# Altium PCB UmTRXv2.PcbDoc (part 20 of 25)
Units mm, origin at the board's own origin, x right, y up, seen from the top; angles counter-clockwise.
Board outline 159.5 x 99.5 mm, 6 copper layers (Top Layer, GND, MidLayer1, Mid-Layer 2, InternalPlane2, Bottom Layer), stack 1.526 mm thick; 708 components, 578 nets, 2802 pads, 1408 vias.
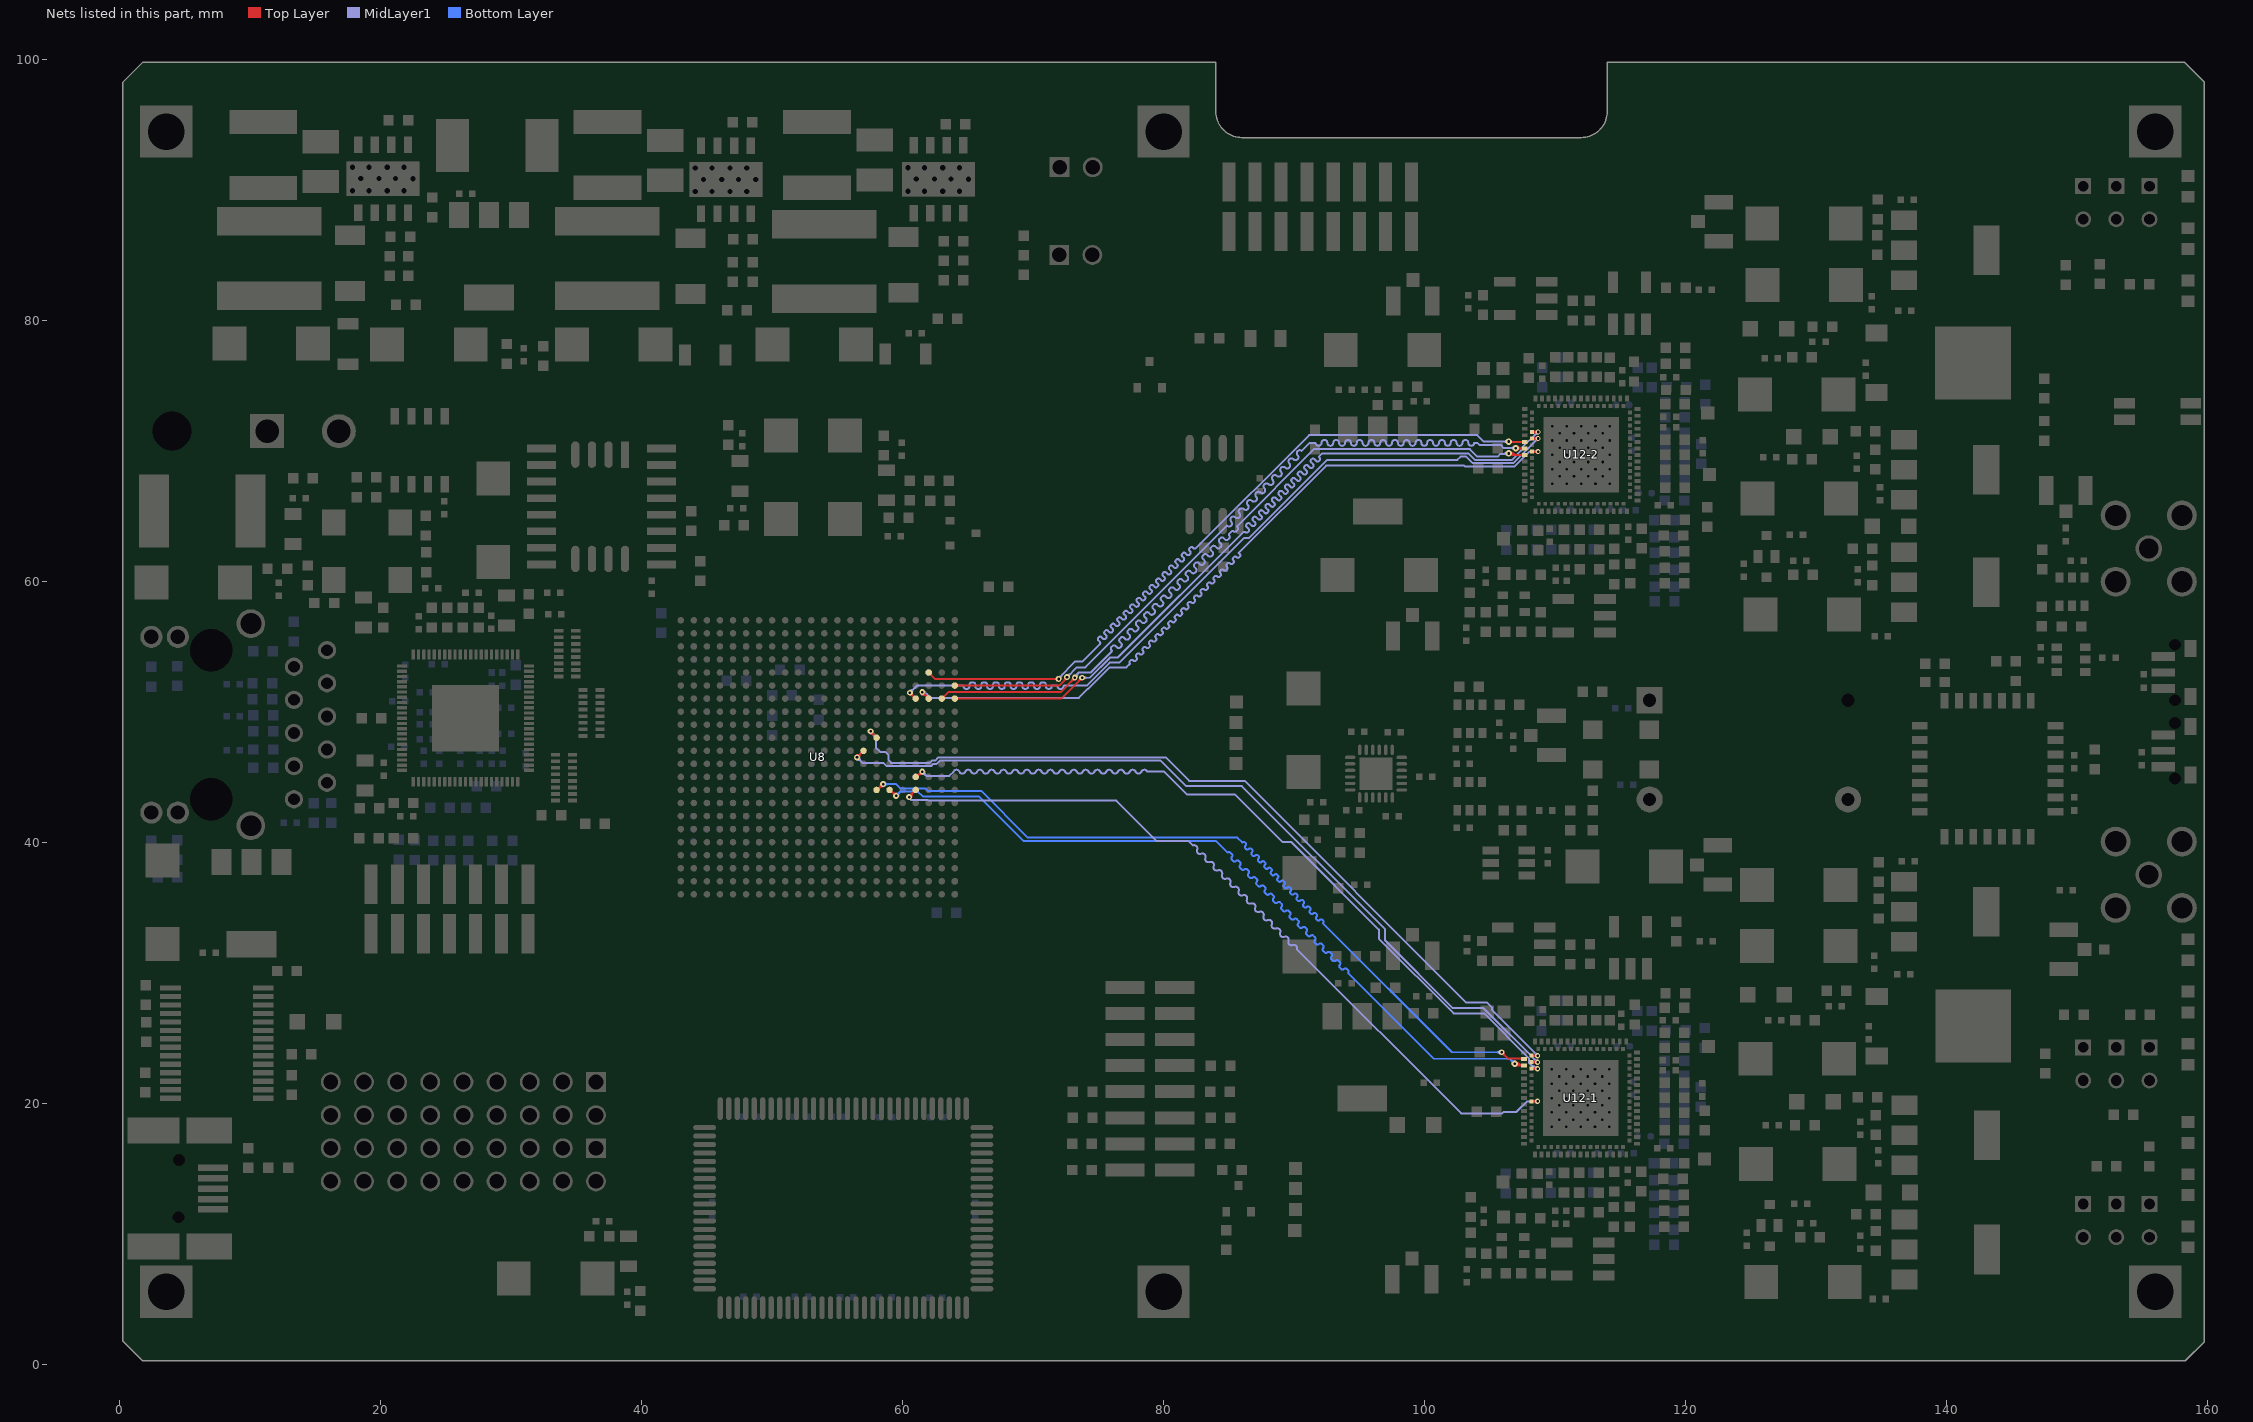
[diagram p24: the nets of this part, all layers, seen from the top]

## Via types
v1: diameter 0.5, hole 0.2, Top Layer to Bottom Layer, tented both sides, 441 vias
v2: diameter 0.45, hole 0.2, Top Layer to Bottom Layer, tented both sides, 429 vias
v3: diameter 0.7, hole 0.3, Top Layer to Bottom Layer, tented both sides, 258 vias
v4: diameter 0.4, hole 0.2, Top Layer to Bottom Layer, tented both sides, 197 vias
v5: diameter 0.8, hole 0.3, Top Layer to Bottom Layer, tented both sides, 61 vias
v6: diameter 0.6, hole 0.25, Top Layer to Bottom Layer, tented both sides, 16 vias
v7: diameter 0.6, hole 0.3, Top Layer to Bottom Layer, tented both sides, 4 vias
v8: diameter 1, hole 0.5, Top Layer to Bottom Layer, tented both sides, 2 vias

## Nets (pads, with @x,y where several pads share a name; then routed paths per layer and width w, separated by ;. In a path a pad name is that pad's centre, name@x,y a point inside that pad or via, vN(x,y) a via of type N, cw(c..) or ccw(c..) an arc to the next point about the centre after c; other vN are vias at no path point) (continued)
RX1D7: U8.K4 U12-1.6 | length 73.3
  Top Layer w0.15: U8.K4@61,45 61.05,45 61.45,45.4 v2(61.5,45.4) ; U8.K4@61.116,45.066 cw(c61.5,44.682) v2@61.5,45.225 ; 61.237,45.187 ccw(c61.023,45.4) v2@61.325,45.4 ; 61.281,45.191 ccw(c61.2,45.496) v2(61.5,45.4) ; v2(61.5,45.4) ccw(c61.546,45.116) 61.269,45.191 cw(c61.546,45.116) v2(61.5,45.4) ; v2(61.5,45.4) cw(c61.123,45.541) 61.227,45.152 ccw(c61.123,45.541) v2(61.5,45.4) ; U8.K4@61.159,45.109 cw(c61.5,44.767) 61.5,45.25 ccw(c61.5,44.767) U8.K4@61.159,45.109 ; 61.279,45.229 ccw(c61.109,45.4) 61.35,45.4 cw(c61.109,45.4) 61.279,45.229
  Top Layer w0.2: U12-1.6@108.207,22.638 v4@108.632,22.638 ; 108.416,22.638 cw(c108.416,22.397) v4@108.586,22.567 ; 108.416,22.638 ccw(c108.416,22.879) v4@108.586,22.709 ; 108.416,22.638 ccw(c108.416,22.879) v4@108.586,22.709 ; 108.416,22.638 cw(c108.416,22.397) v4@108.586,22.567 ; 108.416,22.638 ccw(c108.416,22.879) v4@108.586,22.709 ; 108.416,22.638 cw(c108.416,22.397) v4@108.586,22.567
  MidLayer1 w0.15: v2@61.5,45.225 cw(c61.5,44.802) 61.799,45.101 cw(c62.097,45.4) v2@61.675,45.4 ; v4(108.657,22.638) 108.462,22.638 108,23.1 108,23.435 104.56,26.875 102.221,26.875 96.5,32.596 96.5,33.3 89.8,40 89.134,40 85.484,43.65 81.8,43.65 80.05,45.4 78.75,45.4 ccw(c78.525,45.306) 78.3,45.4 cw(c78.075,45.494) 77.85,45.4 ccw(c77.625,45.306) 77.4,45.4 cw(c77.175,45.494) 76.95,45.4 ccw(c76.725,45.306) 76.5,45.4 cw(c76.275,45.494) 76.05,45.4 ccw(c75.825,45.306) 75.6,45.4 cw(c75.375,45.494) 75.15,45.4 ccw(c74.925,45.306) 74.7,45.4 cw(c74.475,45.494) 74.25,45.4 ccw(c74.025,45.306) 73.8,45.4 cw(c73.575,45.494) 73.35,45.4 ccw(c73.125,45.306) 72.9,45.4 cw(c72.675,45.494) 72.45,45.4 ccw(c72.225,45.306) 72,45.4 cw(c71.775,45.494) 71.55,45.4 ccw(c71.325,45.306) 71.1,45.4 cw(c70.875,45.494) 70.65,45.4 ccw(c70.425,45.306) 70.2,45.4 cw(c69.975,45.494) 69.75,45.4 ccw(c69.525,45.306) 69.3,45.4 cw(c69.075,45.494) 68.85,45.4 ccw(c68.625,45.306) 68.4,45.4 cw(c68.175,45.494) 67.95,45.4 ccw(c67.725,45.306) 67.5,45.4 cw(c67.275,45.494) 67.05,45.4 ccw(c66.825,45.306) 66.6,45.4 cw(c66.375,45.494) 66.15,45.4 ccw(c65.925,45.306) 65.7,45.4 cw(c65.475,45.494) 65.25,45.4 ccw(c65.025,45.306) 64.8,45.4 cw(c64.575,45.494) 64.35,45.4 ccw(c64.125,45.306) 63.9,45.4 63.575,45.075 61.825,45.075 v2(61.5,45.4) ; v2(61.5,45.4) cw(c61.409,45.07) 61.74,45.159 ccw(c61.409,45.07) v2(61.5,45.4) ; v2(61.5,45.4) ccw(c61.83,45.491) 61.741,45.16 cw(c61.83,45.491) v2(61.5,45.4) ; 61.756,45.144 cw(c62.012,45.4) 61.65,45.4 ccw(c62.012,45.4) 61.756,45.144 ; 61.756,45.144 ccw(c61.5,44.888) 61.5,45.25 cw(c61.5,44.888) 61.756,45.144 ; 108.111,22.989 ccw(c108.657,23.536) v4@108.657,22.763 ; 108.111,22.989 ccw(c108.657,23.536) v4@108.657,22.763 ; 108.111,22.989 ccw(c108.657,23.536) v4@108.657,22.763 ; 108.367,22.733 ccw(c108.657,23.024) v4@108.657,22.613 ; 108.367,22.733 ccw(c108.657,23.024) v4@108.657,22.613 ; 108.367,22.733 ccw(c108.657,23.024) v4@108.657,22.613
RX1D8: U8.J6 U12-1.5 | length 76.5
  Top Layer w0.15: U8.J6@59,44 59.05,44 v2(59.5,43.55) ; 59.299,43.739 ccw(c59.553,43.807) v2(59.5,43.55) ; 59.311,43.751 cw(c59.243,43.497) v2(59.5,43.55) ; v2@59.325,43.55 ccw(c58.903,43.55) 59.201,43.849 ccw(c59.5,44.147) v2@59.5,43.725 ; v1(106.911,23.008) 106.911,22.958 106.981,22.888 U12-1.5@107.632,22.888 ; 59.244,43.806 cw(c58.988,43.55) 59.35,43.55 ccw(c58.988,43.55) 59.244,43.806 ; 59.244,43.806 ccw(c59.5,44.062) 59.5,43.7 cw(c59.5,44.062) 59.244,43.806 ; v2(59.5,43.55) ccw(c59.17,43.459) 59.259,43.79 cw(c59.17,43.459) v2(59.5,43.55) ; v2(59.5,43.55) cw(c59.591,43.88) 59.26,43.791 ccw(c59.591,43.88) v2(59.5,43.55) ; v1@106.929,23.026 ccw(c107.261,23.358) 107.261,22.888 ; v1@106.929,23.026 ccw(c107.261,23.358) 107.261,22.888 ; v1@106.929,23.026 ccw(c107.261,23.358) 107.261,22.888 ; v1@106.931,22.994 cw(c107.086,22.884) 107.18,23.048 ; v1@106.931,22.994 cw(c107.086,22.884) 107.18,23.048 ; v1@106.931,22.994 cw(c107.086,22.884) 107.18,23.048 ; v1@107.035,23.132 ccw(c107.623,23.721) U12-1.5@107.623,22.888 ; v1@107.035,23.132 ccw(c107.623,23.721) U12-1.5@107.623,22.888 ; v1@107.035,23.132 ccw(c107.623,23.721) U12-1.5@107.623,22.888 ; v1@107.054,22.907 cw(c107.221,22.787) 107.323,22.965 ; v1@107.054,22.907 cw(c107.221,22.787) 107.323,22.965 ; v1@107.054,22.907 cw(c107.221,22.787) 107.323,22.965
  MidLayer1 w0.15: v1@106.886,22.983 v1(106.911,23.008)
  Bottom Layer w0.15: v2@59.5,43.725 ccw(c59.5,44.147) 59.799,43.849 ccw(c60.097,43.55) v2@59.675,43.55 ; v1(106.911,23.008) 106.519,23.4 100.7,23.4 94.137,29.963 ccw(c94.031,30.069) 94.137,30.175 94.031,30.281 ccw(c93.925,30.175) 93.819,30.281 cw(c93.713,30.387) 93.606,30.281 93.5,30.387 cw(c93.606,30.494) 93.5,30.6 ccw(c93.394,30.706) 93.5,30.812 93.394,30.918 ccw(c93.288,30.812) 93.182,30.918 cw(c93.076,31.024) 92.97,30.918 92.864,31.024 cw(c92.97,31.13) 92.864,31.236 ccw(c92.758,31.342) 92.864,31.448 92.758,31.554 ccw(c92.652,31.448) 92.546,31.554 cw(c92.44,31.66) 92.334,31.554 92.228,31.66 cw(c92.334,31.766) 92.228,31.872 ccw(c92.122,31.978) 92.228,32.084 92.122,32.191 ccw(c92.016,32.084) 91.909,32.191 cw(c91.803,32.297) 91.697,32.191 91.591,32.297 cw(c91.697,32.403) 91.591,32.509 ccw(c91.485,32.615) 91.591,32.721 91.485,32.827 ccw(c91.379,32.721) 91.273,32.827 cw(c91.167,32.933) 91.061,32.827 90.955,32.933 cw(c91.061,33.039) 90.955,33.145 ccw(c90.849,33.251) 90.955,33.357 90.849,33.463 ccw(c90.743,33.357) 90.637,33.463 cw(c90.531,33.569) 90.425,33.463 90.318,33.569 cw(c90.425,33.675) 90.318,33.782 ccw(c90.212,33.888) 90.318,33.994 90.212,34.1 ccw(c90.106,33.994) 90,34.1 cw(c89.894,34.206) 89.788,34.1 89.682,34.206 cw(c89.788,34.312) 89.682,34.418 ccw(c89.576,34.524) 89.682,34.63 89.576,34.736 ccw(c89.47,34.63) 89.364,34.736 cw(c89.258,34.842) 89.152,34.736 89.046,34.842 cw(c89.152,34.948) 89.046,35.054 ccw(c88.94,35.16) 89.046,35.266 88.94,35.373 ccw(c88.834,35.266) 88.727,35.373 cw(c88.621,35.479) 88.515,35.373 88.409,35.479 cw(c88.515,35.585) 88.409,35.691 ccw(c88.303,35.797) 88.409,35.903 88.303,36.009 ccw(c88.197,35.903) 88.091,36.009 cw(c87.985,36.115) 87.879,36.009 87.773,36.115 cw(c87.879,36.221) 87.773,36.327 ccw(c87.667,36.433) 87.773,36.539 87.667,36.645 ccw(c87.561,36.539) 87.455,36.645 cw(c87.349,36.751) 87.243,36.645 87.136,36.751 cw(c87.243,36.857) 87.136,36.964 ccw(c87.03,37.07) 87.136,37.176 87.03,37.282 ccw(c86.924,37.176) 86.818,37.282 cw(c86.712,37.388) 86.606,37.282 86.5,37.388 cw(c86.606,37.494) 86.5,37.6 ccw(c86.394,37.706) 86.5,37.812 86.394,37.918 ccw(c86.288,37.812) 86.182,37.918 cw(c86.076,38.024) 85.97,37.918 85.864,38.024 cw(c85.97,38.13) 85.864,38.236 ccw(c85.758,38.342) 85.864,38.448 85.758,38.555 ccw(c85.652,38.448) 85.545,38.555 cw(c85.439,38.661) 85.333,38.555 85.227,38.661 cw(c85.333,38.767) 85.227,38.873 ccw(c85.121,38.979) 85.227,39.085 85.121,39.191 ccw(c85.015,39.085) 84.909,39.191 84,40.1 69.25,40.1 65.85,43.5 61.545,43.5 61.17,43.875 59.825,43.875 v2(59.5,43.55) ; v2(59.5,43.55) ccw(c59.409,43.88) 59.74,43.791 cw(c59.409,43.88) v2(59.5,43.55) ; v2(59.5,43.55) cw(c59.83,43.459) 59.741,43.79 ccw(c59.83,43.459) v2(59.5,43.55) ; 59.756,43.806 cw(c59.5,44.062) 59.5,43.7 ccw(c59.5,44.062) 59.756,43.806 ; 59.756,43.806 ccw(c60.012,43.55) 59.65,43.55 cw(c60.012,43.55) 59.756,43.806 ; 106.612,23.307 cw(c106.314,23.008) v1@106.736,23.008 ; 106.612,23.307 ccw(c106.911,23.606) v1@106.911,23.183 ; 106.612,23.307 ccw(c106.911,23.606) v1@106.911,23.183 ; 106.612,23.307 cw(c106.314,23.008) v1@106.736,23.008 ; 106.612,23.307 ccw(c106.911,23.606) v1@106.911,23.183 ; 106.612,23.307 cw(c106.314,23.008) v1@106.736,23.008
RX1D9: U8.M8 U12-1.4 | length 73.4
  Top Layer w0.15: v2@56.5,46.675 ccw(c56.5,47.097) 56.799,46.799 ccw(c57.097,46.5) v2@56.675,46.5 ; 56.689,46.701 ccw(c56.757,46.447) v2(56.5,46.5) ; 56.701,46.689 cw(c56.447,46.757) v2(56.5,46.5) ; U8.M8@57,47 v2(56.5,46.5) ; v2(56.5,46.5) ccw(c56.409,46.83) 56.74,46.741 cw(c56.409,46.83) v2(56.5,46.5) ; v2(56.5,46.5) cw(c56.83,46.409) 56.741,46.74 ccw(c56.83,46.409) v2(56.5,46.5) ; 56.756,46.756 cw(c56.5,47.012) 56.5,46.65 ccw(c56.5,47.012) 56.756,46.756 ; 56.756,46.756 ccw(c57.012,46.5) 56.65,46.5 cw(c57.012,46.5) 56.756,46.756
  Top Layer w0.2: U12-1.4@108.207,23.138 v4@108.632,23.138 ; 108.416,23.138 cw(c108.416,22.897) v4@108.586,23.067 ; 108.416,23.138 ccw(c108.416,23.379) v4@108.586,23.209 ; 108.416,23.138 ccw(c108.416,23.379) v4@108.586,23.209 ; 108.416,23.138 cw(c108.416,22.897) v4@108.586,23.067 ; 108.416,23.138 ccw(c108.416,23.379) v4@108.586,23.209 ; 108.416,23.138 cw(c108.416,22.897) v4@108.586,23.067
  MidLayer1 w0.15: v2@56.5,46.325 cw(c56.5,45.903) 56.799,46.201 cw(c57.097,46.5) v2@56.675,46.5 ; v4(108.657,23.138) 108.627,23.138 108.25,23.515 108.25,23.539 104.514,27.275 102.175,27.275 96.95,32.5 96.95,33.35 86,44.3 81.725,44.3 79.775,46.25 62.846,46.25 62.596,46 62.35,46 62.175,45.825 58.776,45.825 58.551,46.05 56.95,46.05 v2(56.5,46.5) ; v2(56.5,46.5) ccw(c56.83,46.591) 56.741,46.26 cw(c56.83,46.591) v2(56.5,46.5) ; v2(56.5,46.5) cw(c56.409,46.17) 56.74,46.259 ccw(c56.409,46.17) v2(56.5,46.5) ; 56.756,46.244 cw(c57.012,46.5) 56.65,46.5 ccw(c57.012,46.5) 56.756,46.244 ; 56.756,46.244 ccw(c56.5,45.988) 56.5,46.35 cw(c56.5,45.988) 56.756,46.244 ; 108.392,23.373 ccw(c108.657,23.638) v4@108.657,23.263 ; 108.392,23.373 ccw(c108.657,23.638) v4@108.657,23.263 ; 108.392,23.373 ccw(c108.657,23.638) v4@108.657,23.263 ; 108.465,23.3 cw(c108.303,23.138) v4@108.532,23.138 ; 108.465,23.3 cw(c108.303,23.138) v4@108.532,23.138 ; 108.465,23.3 cw(c108.303,23.138) v4@108.532,23.138
RX1D10: U8.J7 U12-1.3 | length 73.8
  Top Layer w0.15: U8.J7@58,44 58.05,44 v2(58.5,44.45) ; 58.299,44.261 cw(c58.553,44.193) v2(58.5,44.45) ; 58.311,44.249 ccw(c58.243,44.503) v2(58.5,44.45) ; v2@58.325,44.45 cw(c57.903,44.45) 58.201,44.151 cw(c58.5,43.853) v2@58.5,44.275 ; U12-1.3@107.632,23.388 107.587,23.433 106.367,23.433 v2(105.9,23.9) ; 58.244,44.194 cw(c58.5,43.938) 58.5,44.3 ccw(c58.5,43.938) 58.244,44.194 ; 58.244,44.194 ccw(c57.988,44.45) 58.35,44.45 cw(c57.988,44.45) 58.244,44.194 ; v2(58.5,44.45) ccw(c58.591,44.12) 58.26,44.209 cw(c58.591,44.12) v2(58.5,44.45) ; v2(58.5,44.45) cw(c58.17,44.541) 58.259,44.21 ccw(c58.17,44.541) v2(58.5,44.45) ; v2@105.9,23.75 cw(c105.9,23.388) 106.156,23.644 ; v2@105.9,23.75 cw(c105.9,23.388) 106.156,23.644 ; v2@105.9,23.75 cw(c105.9,23.388) 106.156,23.644 ; v2(105.9,23.9) ccw(c106.157,23.953) 106.089,23.699 ; v2(105.9,23.9) cw(c105.847,23.643) 106.101,23.711 ; v2(105.9,23.9) cw(c105.847,23.643) 106.101,23.711 ; v2(105.9,23.9) cw(c105.847,23.643) 106.101,23.711 ; v2(105.9,23.9) ccw(c106.157,23.953) 106.089,23.699 ; v2(105.9,23.9) ccw(c106.157,23.953) 106.089,23.699 ; v2@106.05,23.9 ccw(c106.412,23.9) 106.156,23.644 ; v2@106.05,23.9 ccw(c106.412,23.9) 106.156,23.644 ; v2@106.05,23.9 ccw(c106.412,23.9) 106.156,23.644
  Bottom Layer w0.15: v2(58.5,44.45) 59.5,44.45 59.825,44.125 61.274,44.125 61.626,44.125 61.725,44.125 61.925,43.925 66.025,43.925 69.6,40.35 85.65,40.35 86.024,39.976 86.031,39.983 cw(c86.13,39.884) 86.229,39.983 86.278,39.934 cw(c86.179,39.835) 86.278,39.736 86.271,39.729 86.264,39.722 ccw(c86.363,39.623) 86.264,39.524 86.314,39.474 ccw(c86.413,39.573) 86.512,39.474 86.519,39.481 86.526,39.488 cw(c86.625,39.389) 86.724,39.488 86.773,39.439 cw(c86.674,39.34) 86.773,39.241 86.766,39.234 86.759,39.227 ccw(c86.858,39.128) 86.759,39.029 86.809,38.979 ccw(c86.908,39.078) 87.007,38.979 87.014,38.986 87.021,38.993 cw(c87.12,38.894) 87.219,38.993 87.268,38.944 cw(c87.169,38.845) 87.268,38.746 87.261,38.739 87.254,38.732 ccw(c87.353,38.633) 87.254,38.534 87.304,38.484 ccw(c87.403,38.583) 87.502,38.484 87.509,38.491 87.516,38.498 cw(c87.615,38.399) 87.714,38.498 87.763,38.449 cw(c87.664,38.35) 87.763,38.251 87.749,38.237 ccw(c87.848,38.138) 87.749,38.039 87.799,37.989 ccw(c87.898,38.088) 87.997,37.989 88.004,37.996 88.011,38.003 cw(c88.11,37.904) 88.209,38.003 88.258,37.954 cw(c88.159,37.855) 88.258,37.756 88.251,37.749 88.244,37.742 ccw(c88.343,37.643) 88.244,37.544 88.294,37.494 ccw(c88.393,37.593) 88.492,37.494 88.499,37.501 88.506,37.508 cw(c88.605,37.409) 88.704,37.508 88.753,37.459 cw(c88.654,37.36) 88.753,37.261 88.746,37.254 88.739,37.247 ccw(c88.838,37.148) 88.739,37.049 88.789,36.999 ccw(c88.888,37.098) 88.987,36.999 88.994,37.006 89.001,37.013 cw(c89.1,36.914) 89.199,37.013 89.248,36.964 cw(c89.149,36.865) 89.248,36.766 89.241,36.759 89.234,36.752 ccw(c89.333,36.653) 89.234,36.554 89.283,36.504 ccw(c89.382,36.603) 89.481,36.504 89.489,36.511 89.496,36.519 cw(c89.595,36.42) 89.694,36.519 89.743,36.469 cw(c89.644,36.37) 89.743,36.271 89.736,36.264 89.729,36.257 ccw(c89.828,36.158) 89.729,36.059 89.778,36.009 ccw(c89.877,36.108) 89.976,36.009 89.991,36.024 cw(c90.09,35.925) 90.189,36.024 90.238,35.974 cw(c90.139,35.875) 90.238,35.776 90.231,35.769 90.224,35.762 ccw(c90.323,35.663) 90.224,35.564 90.273,35.514 ccw(c90.372,35.613) 90.471,35.514 90.479,35.521 90.486,35.529 cw(c90.585,35.43) 90.684,35.529 90.733,35.479 cw(c90.634,35.38) 90.733,35.281 90.726,35.274 90.719,35.267 ccw(c90.818,35.168) 90.719,35.069 90.768,35.019 ccw(c90.867,35.118) 90.966,35.019 90.973,35.027 90.981,35.034 cw(c91.08,34.935) 91.179,35.034 91.228,34.984 cw(c91.129,34.885) 91.228,34.786 91.221,34.779 91.214,34.772 ccw(c91.313,34.673) 91.214,34.574 91.263,34.524 ccw(c91.362,34.623) 91.461,34.524 91.468,34.532 91.476,34.539 cw(c91.575,34.44) 91.674,34.539 91.723,34.489 cw(c91.624,34.39) 91.723,34.291 91.716,34.284 91.709,34.277 ccw(c91.808,34.178) 91.709,34.079 91.758,34.03 ccw(c91.857,34.128) 91.956,34.029 91.963,34.037 91.97,34.044 cw(c92.069,33.945) 92.168,34.044 92.218,33.994 cw(c92.119,33.895) 92.218,33.796 92.211,33.789 102.1,23.9 v2(105.9,23.9) ; v2@58.624,44.326 cw(c58.922,44.028) 58.922,44.45 cw(c58.922,44.872) v2@58.624,44.574 ; 58.862,44.45 cw(c58.862,44.812) 58.606,44.556 ccw(c58.862,44.812) 58.862,44.45 ; 58.862,44.45 ccw(c58.862,44.088) 58.606,44.344 cw(c58.862,44.088) 58.862,44.45 ; 105.538,23.9 cw(c105.538,23.538) v2@105.794,23.794 ; 105.538,23.9 ccw(c105.538,24.262) v2@105.794,24.006 ; 105.538,23.9 ccw(c105.538,24.262) v2@105.794,24.006 ; 105.538,23.9 cw(c105.538,23.538) v2@105.794,23.794 ; 105.538,23.9 ccw(c105.538,24.262) v2@105.794,24.006 ; 105.538,23.9 cw(c105.538,23.538) v2@105.794,23.794
RX1D11: U8.N7 U12-1.2 | length 72.8
  Top Layer w0.15: v2@57.55,48.325 cw(c57.55,48.023) 57.764,48.236 ; v2@57.725,48.5 ccw(c58.268,48.5) U8.N7@57.884,48.116 ; 57.758,48.281 ccw(c57.454,48.2) v2(57.55,48.5) ; U8.N7@58,48 57.55,48.45 57.5,48.5 v2(57.55,48.5) ; v2(57.55,48.5) ccw(c57.834,48.547) 57.759,48.269 cw(c57.834,48.547) v2(57.55,48.5) ; v2(57.55,48.5) cw(c57.409,48.123) 57.798,48.227 ccw(c57.409,48.123) v2(57.55,48.5) ; v2@57.55,48.35 cw(c57.55,48.108) 57.721,48.279 ccw(c57.55,48.108) v2@57.55,48.35 ; v2@57.7,48.5 ccw(c58.182,48.5) 57.841,48.159 cw(c58.182,48.5) v2@57.7,48.5
  Top Layer w0.2: U12-1.2@108.207,23.638 v4@108.632,23.638 ; 108.416,23.638 cw(c108.416,23.397) v4@108.586,23.567 ; 108.416,23.638 ccw(c108.416,23.879) v4@108.586,23.709 ; 108.416,23.638 ccw(c108.416,23.879) v4@108.586,23.709 ; 108.416,23.638 cw(c108.416,23.397) v4@108.586,23.567 ; 108.416,23.638 ccw(c108.416,23.879) v4@108.586,23.709 ; 108.416,23.638 cw(c108.416,23.397) v4@108.586,23.567
  MidLayer1 w0.15: v2@57.55,48.325 cw(c57.55,48.023) 57.764,48.236 ; v2@57.725,48.5 ccw(c58.267,48.5) 57.884,48.116 ; 57.758,48.281 ccw(c57.454,48.2) v2(57.55,48.5) ; v4(108.657,23.638) 105.175,27.12 105.175,27.325 104.8,27.7 103.201,27.7 86.201,44.7 81.957,44.7 80.157,46.5 62.743,46.5 62.493,46.25 62.246,46.25 62.071,46.075 59.125,46.075 58.925,46.275 58.925,46.676 58.676,46.925 58.275,46.925 57.95,47.25 57.95,48.05 57.5,48.5 v2(57.55,48.5) ; v2(57.55,48.5) cw(c57.409,48.123) 57.798,48.227 ccw(c57.409,48.123) v2(57.55,48.5) ; 108.444,23.851 cw(c108.23,23.638) v4@108.532,23.638 ; 108.444,23.851 ccw(c108.657,24.065) v4@108.657,23.763 ; 108.444,23.851 ccw(c108.657,24.065) v4@108.657,23.763 ; 108.444,23.851 cw(c108.23,23.638) v4@108.532,23.638 ; 108.444,23.851 ccw(c108.657,24.065) v4@108.657,23.763 ; 108.444,23.851 cw(c108.23,23.638) v4@108.532,23.638 ; v2@57.55,48.35 cw(c57.55,48.108) 57.721,48.279 ccw(c57.55,48.108) v2@57.55,48.35 ; v2@57.7,48.5 ccw(c58.182,48.5) 57.841,48.159 cw(c58.182,48.5) v2@57.7,48.5
RX1IQSEL: U8.J4 U12-1.16 | length 69
  Top Layer w0.15: v2@60.5,43.625 ccw(c60.5,43.927) 60.713,43.713 ; v2@60.675,43.45 cw(c61.218,43.45) U8.J4@60.834,43.834 ; 60.709,43.669 cw(c60.404,43.75) v2(60.5,43.45) ; U8.J4@61,44 60.5,43.5 v2(60.5,43.45) ; v2(60.5,43.45) ccw(c60.359,43.827) 60.748,43.723 cw(c60.359,43.827) v2(60.5,43.45) ; v2(60.5,43.45) cw(c60.784,43.403) 60.709,43.681 ccw(c60.784,43.403) v2(60.5,43.45) ; v2@60.5,43.6 ccw(c60.5,43.841) 60.671,43.671 cw(c60.5,43.841) v2@60.5,43.6 ; v2@60.65,43.45 cw(c61.133,43.45) 60.791,43.791 ccw(c61.133,43.45) v2@60.65,43.45
  Top Layer w0.2: U12-1.16@108.207,20.138 v4@108.632,20.138 ; 108.416,20.138 cw(c108.416,19.897) v4@108.586,20.067 ; 108.416,20.138 ccw(c108.416,20.379) v4@108.586,20.209 ; 108.416,20.138 ccw(c108.416,20.379) v4@108.586,20.209 ; 108.416,20.138 cw(c108.416,19.897) v4@108.586,20.067 ; 108.416,20.138 ccw(c108.416,20.379) v4@108.586,20.209 ; 108.416,20.138 cw(c108.416,19.897) v4@108.586,20.067
  MidLayer1 w0.15: v2(60.5,43.45) 60.5,43.4 60.675,43.225 61.963,43.225 62.013,43.175 71.87,43.175 76.375,43.175 79.45,40.1 81.9,40.1 82.25,39.75 cw(c82.343,39.525) 82.568,39.432 ccw(c82.794,39.339) 82.886,39.114 cw(c82.979,38.888) 83.205,38.795 ccw(c83.43,38.703) 83.523,38.477 cw(c83.616,38.252) 83.841,38.159 ccw(c84.066,38.066) 84.159,37.841 cw(c84.252,37.615) 84.477,37.523 ccw(c84.703,37.43) 84.796,37.204 cw(c84.888,36.979) 85.114,36.886 ccw(c85.339,36.793) 85.432,36.568 cw(c85.525,36.343) 85.75,36.25 ccw(c85.976,36.157) 86.068,35.932 cw(c86.161,35.706) 86.387,35.613 ccw(c86.612,35.521) 86.705,35.295 cw(c86.798,35.07) 87.023,34.977 ccw(c87.248,34.884) 87.341,34.659 cw(c87.434,34.433) 87.659,34.341 ccw(c87.885,34.248) 87.978,34.022 cw(c88.07,33.797) 88.296,33.704 ccw(c88.521,33.611) 88.614,33.386 cw(c88.707,33.161) 88.932,33.068 ccw(c89.158,32.975) 89.25,32.75 cw(c89.343,32.524) 89.569,32.431 ccw(c89.794,32.339) 89.887,32.113 cw(c89.98,31.888) 90.205,31.795 102.792,19.208 103.284,19.208 105.941,19.208 106.053,19.32 107.035,19.32 107.853,20.138 v4(108.657,20.138) ; 108.355,20.138 cw(c108.355,19.836) v4@108.569,20.05 ; 108.355,20.138 ccw(c108.355,20.44) v4@108.569,20.226 ; 108.355,20.138 ccw(c108.355,20.44) v4@108.569,20.226 ; 108.355,20.138 cw(c108.355,19.836) v4@108.569,20.05 ; 108.355,20.138 ccw(c108.355,20.44) v4@108.569,20.226 ; 108.355,20.138 cw(c108.355,19.836) v4@108.569,20.05